# Altium PCB STC89C52_led流水灯_Project.PcbDoc (part 2 of 2)
Units mm, origin at the board's own origin, x right, y up, seen from the top; angles counter-clockwise.
Board outline 100 x 80 mm, 2 copper layers (Top Layer, Bottom Layer); 175 components, 183 nets, 540 pads, 112 vias.
Unrouted connection lines stored in the file: 28.
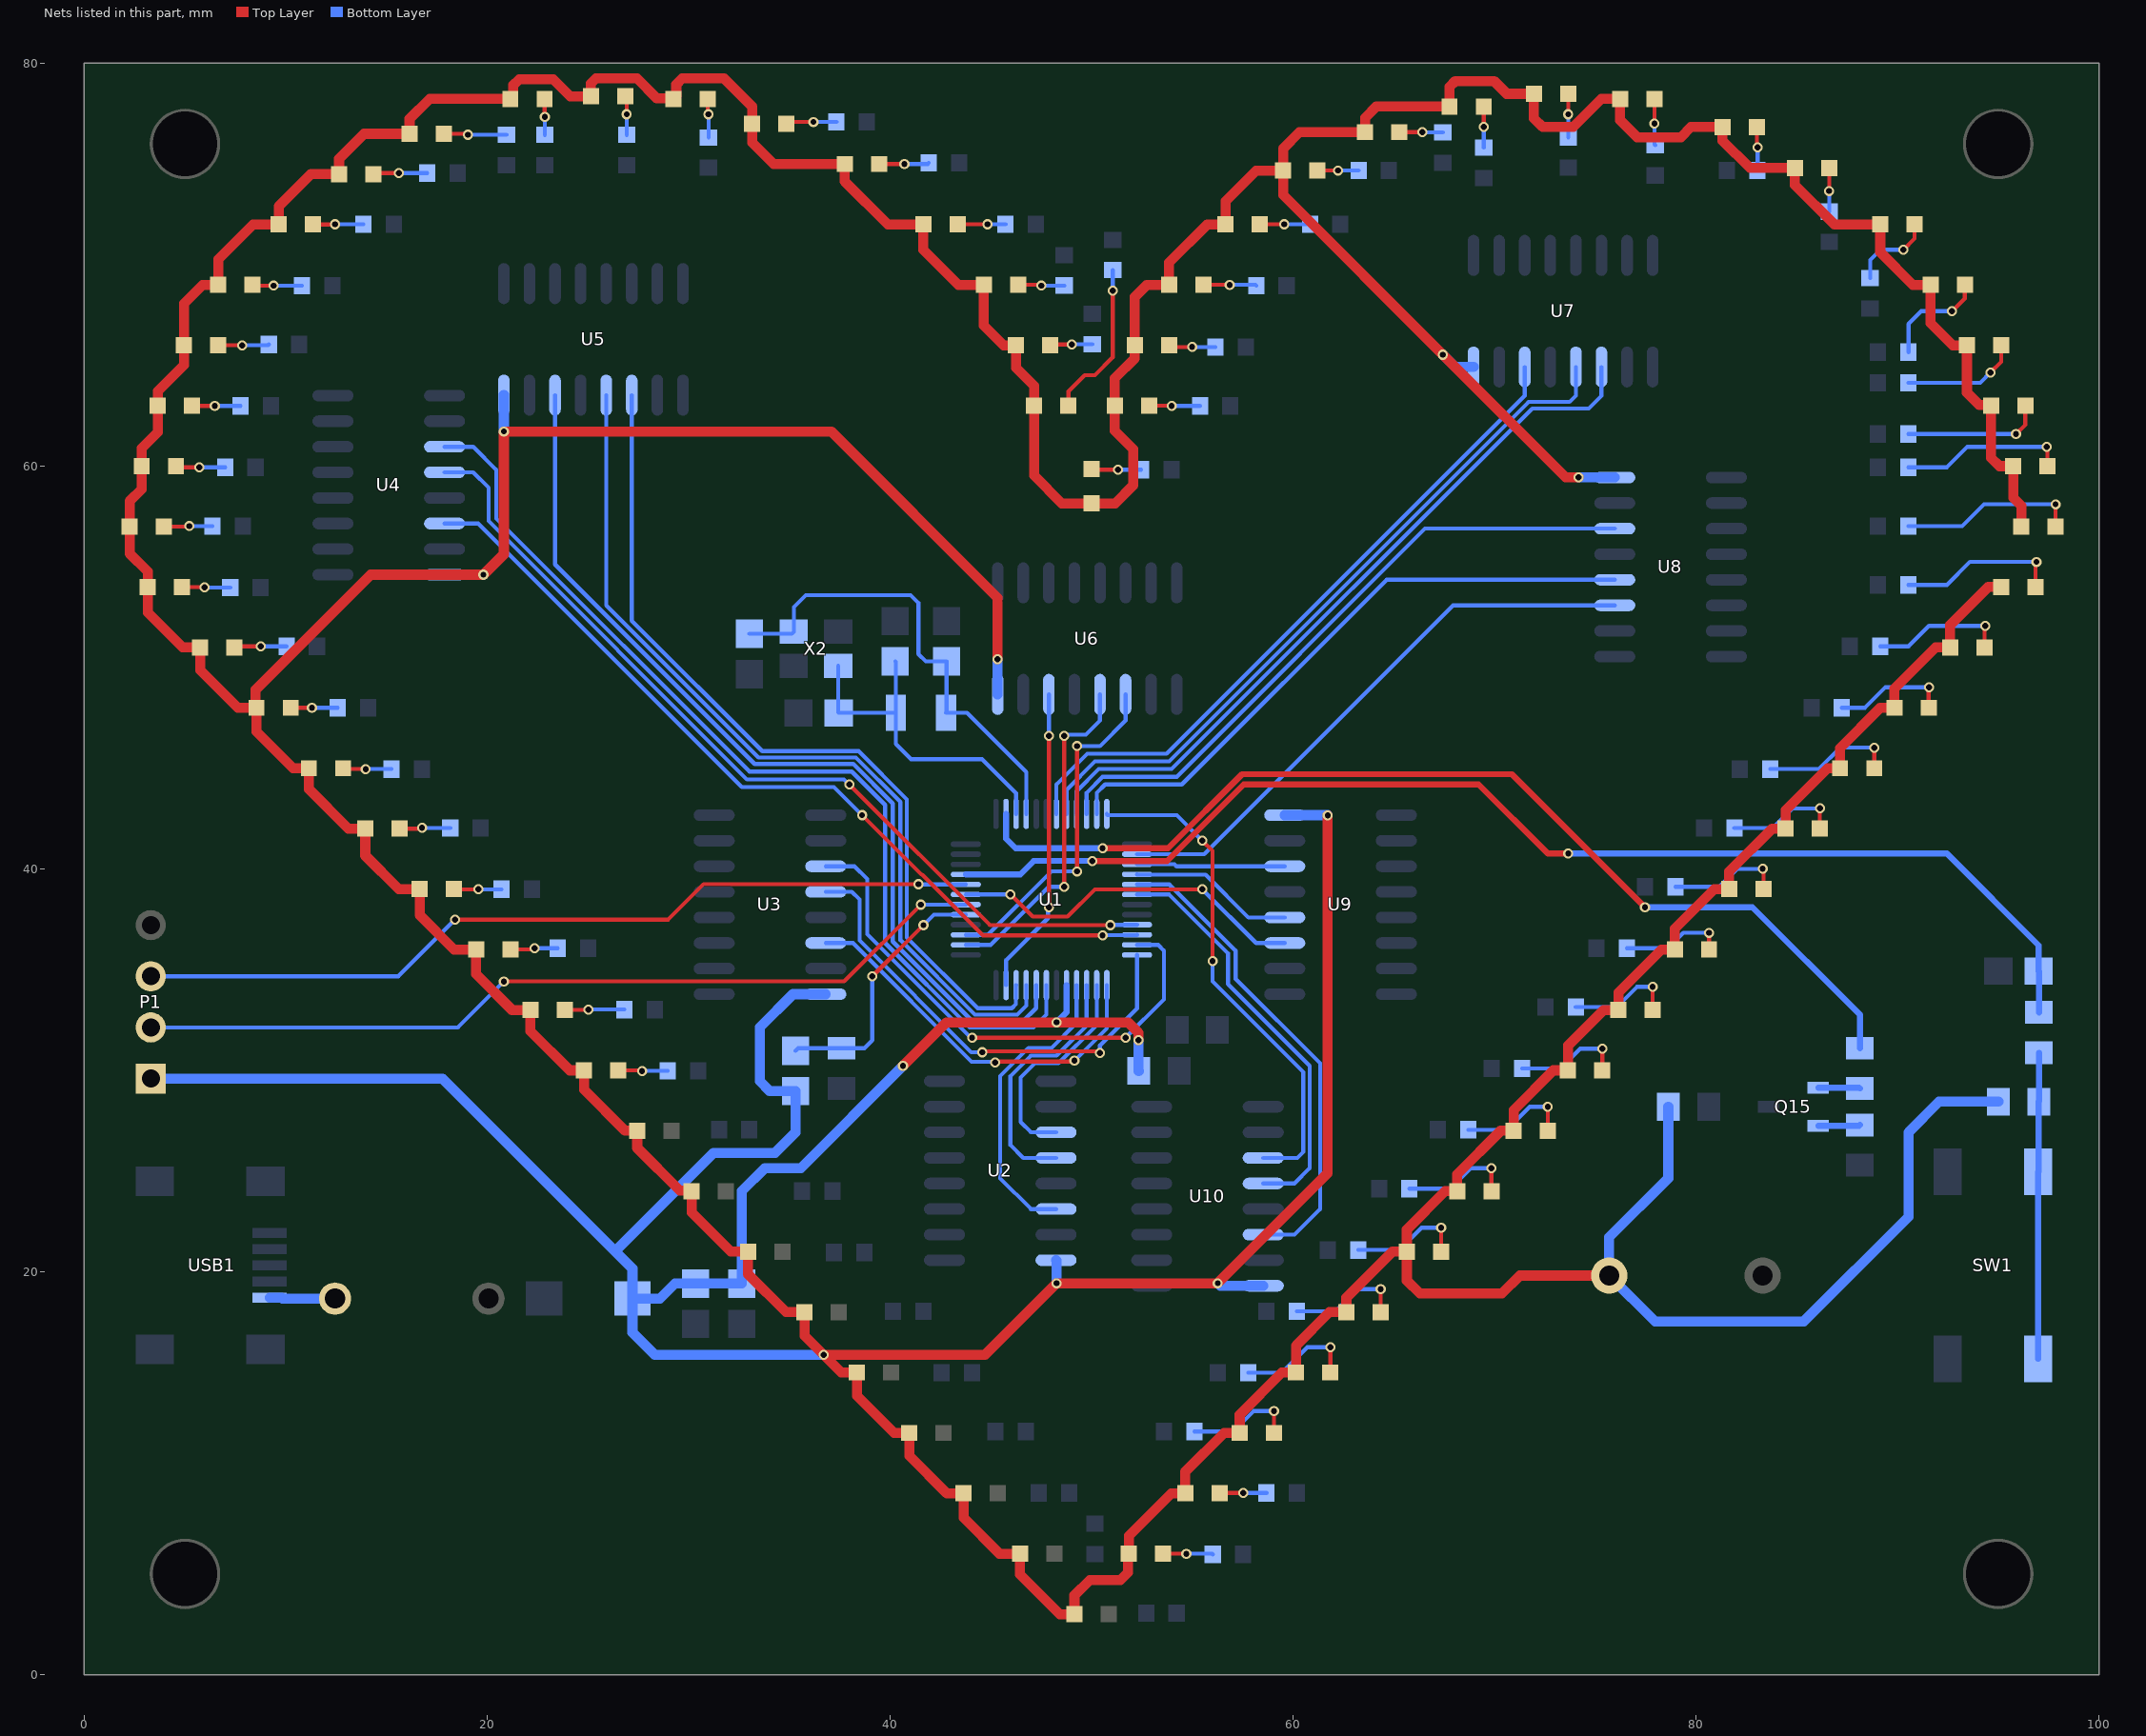
[diagram p2: the nets of this part, all layers, seen from the top]

## Via types
v1: diameter 0.5, hole 0.3, Top Layer to Bottom Layer, tented both sides, 112 vias

## Nets (pads, with @x,y where several pads share a name; then routed paths per layer and width w, separated by ;. In a path a pad name is that pad's centre, name@x,y a point inside that pad or via, vN(x,y) a via of type N, cw(c..) or ccw(c..) an arc to the next point about the centre after c; other vN are vias at no path point) (continued)
NetLED10_2: LED10.2 R10.2 | length 2.5
  Top Layer w0.2: LED10.2@26.505,30 27.658,30 v1(27.686,29.972)
  Bottom Layer w0.2: v1(27.686,29.972) R10.2@28.965,29.972
NetLED11_2: LED11.2 R11.2 | length 3
  Top Layer w0.2: LED11.2@23.851,33 24.999,33 v1(25.019,33.02)
  Bottom Layer w0.2: v1(25.019,33.02) R11.2@26.806,33.02
NetLED12_2: LED12.2 R12.2 | length 2.4
  Top Layer w0.2: LED12.2@21.151,36 22.293,36 v1(22.352,36.059)
  Bottom Layer w0.2: v1(22.352,36.059) 23.495,36.059 R12.2@23.504,36.068
NetLED13_2: LED13.2 R13.2 | length 2.4
  Top Layer w0.2: LED13.2@18.351,39 18.362,38.989 v1(19.558,38.989)
  Bottom Layer w0.2: v1(19.558,38.989) R13.2@20.71,38.989
NetLED14_2: LED14.2 R14.2 | length 2.5
  Top Layer w0.2: LED14.2@15.651,42 16.727,42 v1(16.764,42.037)
  Bottom Layer w0.2: v1(16.764,42.037) R14.2@18.17,42.037
NetLED15_2: LED15.2 R15.2 | length 2.4
  Top Layer w0.2: LED15.2@12.851,45 12.893,44.958 v1(13.97,44.958)
  Bottom Layer w0.2: v1(13.97,44.958) R15.2@15.249,44.958
NetLED16_2: LED16.2 R16.2 | length 2.3
  Top Layer w0.2: LED16.2@10.251,48 11.297,48 v1(11.303,48.006)
  Bottom Layer w0.2: v1(11.303,48.006) R16.2@12.582,48.006
NetLED17_2: LED17.2 R17.2 | length 2.6
  Top Layer w0.2: LED17.2@7.451,51 7.505,51.054 v1(8.763,51.054)
  Bottom Layer w0.2: v1(8.763,51.054) R17.2@10.042,51.054
NetLED18_2: LED18.2 R18.2 | length 2.4
  Top Layer w0.2: LED18.2@4.851,54 5.944,54 v1(5.969,53.975)
  Bottom Layer w0.2: v1(5.969,53.975) R18.2@7.248,53.975
NetLED19_2: LED19.2 R19.2 | length 2.4
  Top Layer w0.2: LED19.2@3.951,57 5.184,57 v1(5.207,57.023)
  Bottom Layer w0.2: v1(5.207,57.023) R19.2@6.359,57.023
NetLED20_2: LED20.2 R20.2 | length 2.5
  Top Layer w0.2: LED20.2@4.551,60 4.607,59.944 v1(5.715,59.944)
  Bottom Layer w0.2: v1(5.715,59.944) R20.2@6.994,59.944
NetLED21_2: LED21.2 R21.2 | length 2.4
  Top Layer w0.2: LED21.2@5.351,63 5.359,62.992 v1(6.477,62.992)
  Bottom Layer w0.2: v1(6.477,62.992) R21.2@7.756,62.992
NetLED22_2: LED22.2 R22.2 | length 2.5
  Top Layer w0.2: LED22.2@6.651,66 v1(7.834,66)
  Bottom Layer w0.2: v1(7.834,66) 9.121,66 R22.2@9.161,66.04
NetLED23_2: LED23.2 R23.2 | length 2.5
  Top Layer w0.2: LED23.2@8.351,69 8.39,68.961 v1(9.398,68.961)
  Bottom Layer w0.2: v1(9.398,68.961) R23.2@10.804,68.961
NetLED24_2: LED24.2 R24.2 | length 2.5
  Top Layer w0.2: LED24.2@11.351,72 12.437,72 v1(12.446,72.009)
  Bottom Layer w0.2: v1(12.446,72.009) R24.2@13.852,72.009
NetLED25_2: LED25.2 R25.2 | length 2.7
  Top Layer w0.2: LED25.2@14.351,74.5 14.4,74.549 v1(15.621,74.549)
  Bottom Layer w0.2: v1(15.621,74.549) R25.2@17.027,74.549
NetLED26_2: LED26.2 R26.2 | length 3.1
  Top Layer w0.2: LED26.2@17.851,76.5 19.004,76.5 v1(19.05,76.454)
  Bottom Layer w0.2: v1(19.05,76.454) R26.2@20.955,76.454
NetLED27_2: LED27.2 R27.2 | length 1.8
  Top Layer w0.2: LED27.2@22.851,78.232 22.851,77.352 v1(22.86,77.343)
  Bottom Layer w0.2: R27.2@22.86,76.445 v1(22.86,77.343)
NetLED28_2: LED28.2 R28.2 | length 1.9
  Top Layer w0.2: LED28.2@26.851,78.359 26.924,78.286 v1(26.924,77.47)
  Bottom Layer w0.2: R28.2@26.924,76.445 v1(26.924,77.47)
NetLED29_2: LED29.2 R29.2 | length 1.9
  Top Layer w0.2: LED29.2@30.95,78.232 30.95,77.508 v1(30.988,77.47)
  Bottom Layer w0.2: R29.2@30.988,76.318 v1(30.988,77.47)
NetLED30_2: LED30.2 R30.2 | length 2.5
  Top Layer w0.2: LED30.2@34.851,77 34.94,77.089 v1(36.195,77.089)
  Bottom Layer w0.2: v1(36.195,77.089) R30.2@37.338,77.089
NetLED31_2: LED31.2 R31.2 | length 2.5
  Top Layer w0.2: LED31.2@39.451,75 v1(40.71,75)
  Bottom Layer w0.2: v1(40.71,75) 41.862,75 R31.2@41.919,75.057
NetLED32_2: LED32.2 R32.2 | length 2.4
  Top Layer w0.2: LED32.2@43.351,72 43.36,72.009 v1(44.831,72.009)
  Bottom Layer w0.2: v1(44.831,72.009) R32.2@45.729,72.009
NetLED33_2: LED33.2 R33.2 | length 2.3
  Top Layer w0.2: LED33.2@46.351,69 47.459,69 v1(47.498,68.961)
  Bottom Layer w0.2: v1(47.498,68.961) R33.2@48.65,68.961
NetLED34_2: LED34.2 R34.2 | length 2.1
  Top Layer w0.2: LED34.2@47.951,66 47.991,66.04 v1(49.022,66.04)
  Bottom Layer w0.2: v1(49.022,66.04) 49.031,66.049 R34.2@50.038,66.049
NetLED35_2: LED35.2 R35.2 | length 7.9
  Top Layer w0.2: LED35.2@48.851,63 48.851,63.71 49.657,64.516 50.165,64.516 51.054,65.405 v1(51.054,68.707)
  Bottom Layer w0.2: v1(51.054,68.707) R35.2@51.054,69.732
NetLED36_2: LED36.2 R36.2 | length 2.5
  Top Layer w0.2: LED36.2@50,59.851 50.034,59.817 v1(51.308,59.817)
  Bottom Layer w0.2: v1(51.308,59.817) R36.2@52.46,59.817
NetLED37_2: LED37.2 R37.2 | length 2.5
  Top Layer w0.2: LED37.2@52.851,63 53.967,63 v1(53.975,62.992)
  Bottom Layer w0.2: v1(53.975,62.992) R37.2@55.381,62.992
NetLED38_2: LED38.2 R38.2 | length 2.3
  Top Layer w0.2: LED38.2@53.851,66 53.938,65.913 v1(54.991,65.913)
  Bottom Layer w0.2: v1(54.991,65.913) R38.2@56.143,65.913
NetLED39_2: LED39.2 R39.2 | length 2.6
  Top Layer w0.2: LED39.2@55.551,69 v1(56.857,69)
  Bottom Layer w0.2: v1(56.857,69) 58.136,69 R39.2@58.175,68.961
NetLED40_2: LED40.2 R40.2 | length 2.5
  Top Layer w0.2: LED40.2@58.351,72 58.36,72.009 v1(59.563,72.009)
  Bottom Layer w0.2: v1(59.563,72.009) R40.2@60.842,72.009
NetLED41_2: LED41.2 R41.2 | length 2
  Top Layer w0.2: LED41.2@61.214,74.676 v1(62.23,74.676)
  Bottom Layer w0.2: v1(62.23,74.676) R41.2@63.255,74.676
NetLED42_2: LED42.2 R42.2 | length 2.2
  Top Layer w0.2: LED42.2@65.278,76.581 v1(66.421,76.581)
  Bottom Layer w0.2: v1(66.421,76.581) 66.43,76.572 R42.2@67.437,76.572
NetLED43_2: LED43.2 R43.2 | length 2
  Top Layer w0.2: v1(69.469,76.835) LED43.2@69.469,77.851
  Bottom Layer w0.2: R43.2@69.469,75.81 v1(69.469,76.835)
NetLED44_2: LED44.2 R44.2 | length 2.2
  Top Layer w0.2: v1(73.66,77.47) LED44.2@73.66,78.486
  Bottom Layer w0.2: R44.2@73.66,76.318 v1(73.66,77.47)
NetLED45_2: LED45.2 R45.2 | length 2.3
  Top Layer w0.2: v1(77.94,77) LED45.2@77.94,78.232
  Bottom Layer w0.2: v1(77.94,77) 77.94,75.975 R45.2@77.978,75.937
NetLED46_2: LED46.2 R46.2 | length 2.2
  Top Layer w0.2: LED46.2@83.02,76.835 83.02,75.857 v1(83.058,75.819)
  Bottom Layer w0.2: R46.2@83.049,74.676 83.058,74.685 v1(83.058,75.819)
NetLED47_2: LED47.2 R47.2 | length 2.2
  Top Layer w0.2: v1(86.614,73.66) LED47.2@86.614,74.803
  Bottom Layer w0.2: R47.2@86.614,72.635 v1(86.614,73.66)
NetLED48_2: LED48.2 R48.2 | length 4.2
  Top Layer w0.2: v1(90.297,70.739) 90.851,71.293 LED48.2@90.851,72
  Bottom Layer w0.2: R48.2@88.646,69.333 88.646,70.231 89.154,70.739 v1(90.297,70.739)
NetLED49_2: LED49.2 R49.2 | length 5.4
  Top Layer w0.2: v1(92.71,67.691) 93.345,68.326 93.345,68.994 LED49.2@93.351,69
  Bottom Layer w0.2: R49.2@90.551,65.659 90.551,67.056 91.186,67.691 v1(92.71,67.691)
NetLED50_2: LED50.2 R50.2 | length 5.9
  Top Layer w0.2: v1(94.615,64.643) 95.151,65.179 LED50.2@95.151,66
  Bottom Layer w0.2: R50.2@90.542,64.135 94.107,64.135 v1(94.615,64.643)
NetLED51_2: LED51.2 R51.2 | length 6.9
  Top Layer w0.2: v1(95.885,61.595) 96.351,62.061 LED51.2@96.351,63
  Bottom Layer w0.2: R51.2@90.542,61.595 v1(95.885,61.595)
NetLED52_2: LED52.2 R52.2 | length 8.3
  Top Layer w0.2: v1(97.409,60.96) 97.409,60.833 97.451,60.791 LED52.2@97.451,60
  Bottom Layer w0.2: R52.2@90.542,59.944 92.456,59.944 93.472,60.96 v1(97.409,60.96)
NetLED53_2: LED53.2 R53.2 | length 8.9
  Top Layer w0.2: LED53.2@97.851,57 v1(97.851,58.105)
  Bottom Layer w0.2: R53.2@90.542,57.023 93.218,57.023 94.3,58.105 v1(97.851,58.105)
NetLED54_2: LED54.2 R54.2 | length 8.1
  Top Layer w0.2: LED54.2@96.851,54 96.851,55.195 v1(96.901,55.245)
  Bottom Layer w0.2: R54.2@90.542,54.102 92.456,54.102 93.599,55.245 v1(96.901,55.245)
NetLED55_2: LED55.2 R55.2 | length 6.7
  Top Layer w0.2: LED55.2@94.323,51 94.323,52.032 v1(94.361,52.07)
  Bottom Layer w0.2: R55.2@89.145,51.054 90.551,51.054 91.567,52.07 v1(94.361,52.07)
NetLED56_2: LED56.2 R56.2 | length 5.8
  Top Layer w0.2: LED56.2@91.551,48 91.551,49.006 v1(91.567,49.022)
  Bottom Layer w0.2: R56.2@87.24,48.006 88.392,48.006 89.408,49.022 v1(91.567,49.022)
NetLED57_2: LED57.2 R57.2 | length 6.6
  Top Layer w0.2: LED57.2@88.851,45 v1(88.851,46.023)
  Bottom Layer w0.2: R57.2@83.684,44.958 86.106,44.958 87.171,46.023 v1(88.851,46.023)
NetLED58_2: LED58.2 R58.2 | length 5.7
  Top Layer w0.2: LED58.2@86.151,42 v1(86.151,43.008)
  Bottom Layer w0.2: R58.2@81.906,42.037 83.82,42.037 84.791,43.008 v1(86.151,43.008)
NetLED59_2: LED59.2 R59.2 | length 5.7
  Top Layer w0.2: v1(83.312,40.005) 83.351,39.966 LED59.2@83.351,39
  Bottom Layer w0.2: R59.2@78.985,39.116 81.153,39.116 82.042,40.005 v1(83.312,40.005)
NetLED60_2: LED60.2 R60.2 | length 5.2
  Top Layer w0.2: v1(80.645,36.83) 80.651,36.824 LED60.2@80.651,36
  Bottom Layer w0.2: R60.2@76.572,36.068 78.613,36.068 79.375,36.83 v1(80.645,36.83)
NetLED61_2: LED61.2 R61.2 | length 5.4
  Top Layer w0.2: LED61.2@77.851,33 v1(77.851,34.145)
  Bottom Layer w0.2: R61.2@74.032,33.147 76.073,33.147 77.071,34.145 v1(77.851,34.145)
NetLED62_2: LED62.2 R62.2 | length 5.5
  Top Layer w0.2: LED62.2@75.351,30 v1(75.351,31.075)
  Bottom Layer w0.2: R62.2@71.365,30.099 73.279,30.099 74.255,31.075 v1(75.351,31.075)
NetLED63_2: LED63.2 R63.2 | length 5.6
  Top Layer w0.2: v1(72.644,28.194) 72.651,28.187 LED63.2@72.651,27
  Bottom Layer w0.2: R63.2@68.698,27.051 70.612,27.051 71.755,28.194 v1(72.644,28.194)
NetLED64_2: LED64.2 R64.2 | length 5.6
  Top Layer w0.2: v1(69.85,25.146) v1(69.85,25.146) LED64.2@69.851,24
  Bottom Layer w0.2: R64.2@65.777,24.13 67.818,24.13 68.834,25.146 v1(69.85,25.146)
NetLED65_2: LED65.2 R65.2 | length 5.8
  Top Layer w0.2: LED65.2@67.351,21 v1(67.351,22.184)
  Bottom Layer w0.2: R65.2@63.237,21.082 65.278,21.082 66.38,22.184 v1(67.351,22.184)
NetLED66_2: LED66.2 R66.2 | length 5.8
  Top Layer w0.2: LED66.2@64.351,18 v1(64.351,19.139)
  Bottom Layer w0.2: R66.2@60.189,18.034 62.103,18.034 63.208,19.139 v1(64.351,19.139)
NetLED67_2: LED67.2 R67.2 | length 5.9
  Top Layer w0.2: v1(61.849,16.256) 61.851,16.254 LED67.2@61.851,15
  Bottom Layer w0.2: R67.2@57.776,14.986 59.436,14.986 60.706,16.256 v1(61.849,16.256)
NetLED68_2: LED68.2 R68.2 | length 5.4
  Top Layer w0.2: LED68.2@59.055,12 v1(59.055,13.081)
  Bottom Layer w0.2: R68.2@55.109,12.065 57.023,12.065 58.039,13.081 v1(59.055,13.081)
NetLED69_2: LED69.2 R69.2 | length 2.3
  Top Layer w0.2: LED69.2@56.351,9 56.368,9.017 v1(57.531,9.017)
  Bottom Layer w0.2: v1(57.531,9.017) R69.2@58.683,9.017
NetLED70_2: LED70.2 R70.2 | length 2.5
  Top Layer w0.2: LED70.2@53.551,6 v1(54.706,6)
  Bottom Layer w0.2: v1(54.706,6) 55.985,6 R70.2@56.016,5.969
NetQ15_1: Q15.1 R75.1 | length 2.1
  Bottom Layer w0.3: Q15.1@86.071,29.144 88.093,29.144 R75.1@88.138,29.099
NetQ15_2: Q15.2 R72.2 | length 2.1
  Bottom Layer w0.3: Q15.2@86.071,27.244 88.093,27.244 R72.2@88.138,27.289
NetR73_1: R73.1 R74.1 SW1.1 SW1.2 | length 15.2
  Bottom Layer w0.3: SW1.1@96.992,15.677 SW1.2@96.992,24.963 97.012,24.983 R73.1@97.012,28.448 97.028,28.464 R74.1@97.028,30.877
P0.0: U1.40 U2.14 | length 15.2
  Bottom Layer w0.2: U2.14@48.235,23.114 46.99,23.114 45.466,24.638 45.466,29.718 46.863,31.115 48.006,31.115 49.256,32.365 U1.40@49.256,34.231
P0.1: U1.39 U2.12 | length 12.8
  Bottom Layer w0.2: U2.12@48.235,25.654 46.609,25.654 45.974,26.289 45.974,29.718 46.99,30.734 48.26,30.734 49.756,32.23 U1.39@49.756,34.231
P0.2: U1.38 U2.11 | length 11
  Bottom Layer w0.2: U2.11@48.235,26.924 46.99,26.924 46.482,27.432 46.482,29.651 47.184,30.353 48.357,30.353 50.256,32.252 U1.38@50.256,34.231
P0.3: U1.37 U3.14 | length 19.3
  Top Layer w0.2: v1(45.212,30.391) 45.257,30.436 49.105,30.436 v1(49.149,30.48)
  Bottom Layer w0.2: U3.14@36.805,36.322 38.155,36.322 44.048,30.429 45.174,30.429 v1(45.212,30.391) ; v1(49.149,30.48) 50.756,32.087 U1.37@50.756,34.231
P0.4: U1.36 U3.12 | length 23.8
  Top Layer w0.2: v1(44.577,30.899) 44.628,30.95 50.249,30.95 50.338,30.861 v1(50.419,30.861)
  Bottom Layer w0.2: U3.12@36.805,38.862 38.1,38.862 38.481,38.481 38.481,36.449 44.027,30.903 44.573,30.903 v1(44.577,30.899) ; v1(50.419,30.861) 50.419,31.242 52.256,33.079 U1.36@52.256,35.731
P0.5: U1.35 U3.11 | length 26.6
  Top Layer w0.2: v1(44.069,31.623) v1(51.689,31.623)
  Bottom Layer w0.2: U3.11@36.805,40.132 38.227,40.132 38.862,39.497 38.862,36.758 43.997,31.623 v1(44.069,31.623) ; v1(51.689,31.623) 53.594,33.528 53.594,35.941 53.304,36.231 U1.35@52.256,36.231
P0.6: U1.34 U4.14 | length 42.9
  Top Layer w0.2: v1(38.608,42.672) 41.567,39.713 41.597,39.713 44.607,36.703 v1(50.546,36.703)
  Bottom Layer w0.2: U4.14@17.882,57.15 19.558,57.15 32.639,44.069 37.211,44.069 v1(38.608,42.672) ; v1(50.546,36.703) 50.561,36.718 52.243,36.718 U1.34@52.256,36.731
P0.7: U1.33 U4.12 | length 44.7
  Top Layer w0.2: v1(37.973,44.196) 44.958,37.211 v1(50.927,37.211)
  Bottom Layer w0.2: U4.12@17.882,59.69 19.304,59.69 20.066,58.928 20.066,57.277 32.893,44.45 37.706,44.45 37.96,44.196 v1(37.973,44.196) ; v1(50.927,37.211) 50.937,37.221 52.246,37.221 U1.33@52.256,37.231
P1.0: U1.43 U4.11 | length 49
  Bottom Layer w0.2: U4.11@17.882,60.96 19.304,60.96 20.447,59.817 20.447,57.404 33.02,44.831 38.1,44.831 39.751,43.18 39.751,36.322 43.947,32.126 47.122,32.126 47.756,32.76 U1.43@47.756,34.231
P1.1: U1.44 U5.14 | length 47.1
  Bottom Layer w0.2: U5.14@23.368,63.525 23.368,55.118 33.274,45.212 38.172,45.212 40.132,43.252 40.132,36.394 44.08,32.446 46.604,32.446 47.244,33.086 47.244,34.219 U1.44@47.256,34.231
P1.2: U1.45 U5.12 | length 44.9
  Bottom Layer w0.2: U5.12@25.908,63.525 25.908,53.086 33.462,45.532 38.304,45.532 40.513,43.323 40.513,36.465 44.212,32.766 46.306,32.766 46.756,33.216 U1.45@46.756,34.231
P1.3: U1.46 U5.11 | length 43.3
  Bottom Layer w0.2: U5.11@27.178,63.525 27.178,52.324 33.65,45.852 38.437,45.852 40.833,43.456 40.833,36.598 44.345,33.086 46.04,33.086 46.243,33.289 46.243,34.218 U1.46@46.256,34.231
P1.4: U1.47 U6.14 | length 15.3
  Top Layer w0.2: v1(47.879,38.1) v1(47.879,46.609)
  Bottom Layer w0.2: U1.47@45.756,34.231 45.756,35.469 47.837,37.55 47.837,38.058 v1(47.879,38.1) ; v1(47.879,46.609) U6.14@47.879,48.666
P1.5: U1.2 U6.12 | length 17
  Top Layer w0.2: v1(48.641,39.116) v1(48.641,46.609)
  Bottom Layer w0.2: U1.2@43.756,36.231 44.994,36.231 47.879,39.116 v1(48.641,39.116) ; v1(48.641,46.609) 48.698,46.666 49.714,46.666 50.419,47.371 U6.12@50.419,48.666
P1.6: U1.3 U6.11 | length 17.3
  Top Layer w0.2: v1(49.276,39.878) v1(49.276,46.101)
  Bottom Layer w0.2: U1.3@43.756,36.731 44.859,36.731 48.006,39.878 v1(49.276,39.878) ; v1(49.276,46.101) 50.419,46.101 51.689,47.371 U6.11@51.689,48.666
P2.0: U1.19 U7.14 | length 34.1
  Bottom Layer w0.2: U1.19@48.256,42.731 48.256,44.192 49.784,45.72 53.721,45.72 71.501,63.5 U7.14@71.501,64.922
P2.1: U1.20 U7.12 | length 36
  Bottom Layer w0.2: U1.20@48.756,42.731 48.756,43.93 50.165,45.339 53.848,45.339 71.694,63.185 73.726,63.185 74.041,63.5 U7.12@74.041,64.922
P2.2: U1.21 U7.11 | length 36.7
  Bottom Layer w0.2: U1.21@49.256,42.731 49.256,43.856 50.358,44.958 53.975,44.958 71.882,62.865 74.676,62.865 75.311,63.5 U7.11@75.311,64.922
P2.3: U1.22 U8.14 | length 32.7
  Bottom Layer w0.2: U1.22@49.756,42.731 49.756,43.787 50.546,44.577 54.229,44.577 66.548,56.896 U8.14@75.971,56.896
P2.4: U1.23 U8.12 | length 31.1
  Bottom Layer w0.2: U1.23@50.256,42.731 50.256,43.779 50.673,44.196 54.483,44.196 64.643,54.356 U8.12@75.971,54.356
P2.5: U1.26 U8.11 | length 28.8
  Bottom Layer w0.2: U1.26@52.256,40.731 55.59,40.731 67.945,53.086 U8.11@75.971,53.086
P2.6: U1.27 U9.14 | length 7.4
  Bottom Layer w0.2: U1.27@52.256,40.231 54.119,40.231 54.218,40.132 U9.14@59.588,40.132
P2.7: U1.28 U9.12 | length 8.2
  Bottom Layer w0.2: U1.28@52.256,39.731 52.269,39.718 55.659,39.718 57.785,37.592 U9.12@59.588,37.592
P3.0: P1.2 U1.6 | length 43
  Top Layer w0.2: v1(20.828,34.417) 37.719,34.417 v1(41.529,38.227)
  Bottom Layer w0.2: P1.2@3.302,32.131 18.542,32.131 v1(20.828,34.417) ; v1(41.529,38.227) 41.533,38.231 U1.6@43.756,38.231
P3.1: P1.3 U1.8 | length 42.4
  Top Layer w0.2: v1(18.403,37.487) 28.984,37.487 30.74,39.243 v1(41.402,39.243)
  Bottom Layer w0.2: P1.3@3.302,34.671 15.587,34.671 v1(18.403,37.487) ; v1(41.402,39.243) 41.414,39.231 U1.8@43.756,39.231
P3.2: C5.2 R74.2 U1.9 | length 61.8
  Top Layer w0.3: v1(50.038,40.386) 53.748,40.386 57.558,44.196 69.215,44.196 72.644,40.767 v1(73.66,40.767)
  Bottom Layer w0.3: U1.9@43.756,39.731 46.462,39.731 47.129,40.398 50.026,40.398 v1(50.038,40.386) ; v1(73.66,40.767) 92.456,40.767 97.012,36.211 C5.2@97.012,34.925 97.028,34.909 R74.2@97.028,32.877
P3.7: R75.2 U1.14 | length 52
  Top Layer w0.3: v1(50.546,41.021) 53.789,41.021 57.472,44.704 70.866,44.704 v1(77.47,38.1)
  Bottom Layer w0.3: U1.14@45.756,42.731 45.756,41.493 46.228,41.021 v1(50.546,41.021) ; v1(77.47,38.1) 82.804,38.1 88.138,32.766 R75.2@88.138,31.099
P4.3: U1.7 U9.11 | length 18
  Top Layer w0.2: v1(45.974,38.735) 47.079,37.63 48.806,37.63 50.165,38.989 v1(55.499,38.989)
  Bottom Layer w0.2: U1.7@43.756,38.731 43.758,38.733 45.972,38.733 v1(45.974,38.735) ; v1(55.499,38.989) 58.166,36.322 U9.11@59.588,36.322
P4.4: U1.29 U10.14 | length 24.2
  Bottom Layer w0.2: U1.29@52.256,39.231 53.86,39.231 57.15,35.941 57.15,34.544 61.341,30.353 61.341,23.114 60.071,21.844 U10.14@58.522,21.844
P4.5: U1.30 U10.12 | length 20.7
  Bottom Layer w0.2: U1.30@52.256,38.731 53.852,38.731 56.769,35.814 56.769,34.29 60.833,30.226 60.833,25.146 60.071,24.384 U10.12@58.522,24.384
P5.0: U1.24 U10.11 | length 24.9
  Top Layer w0.2: v1(55.499,41.402) 56.007,40.894 56.007,35.924 v1(56.007,35.433)
  Bottom Layer w0.2: U1.24@50.756,42.731 50.788,42.699 50.788,42.672 54.229,42.672 v1(55.499,41.402) ; v1(56.007,35.433) 56.007,34.417 60.513,29.911 60.513,25.959 60.208,25.654 U10.11@58.522,25.654
RST: C6.1 R71.2 U1.5 | length 13.1
  Top Layer w0.2: v1(39.116,34.671) v1(41.656,37.211)
  Bottom Layer w0.2: C6.1@35.306,30.972 35.433,31.099 R71.2@37.592,31.099 38.719,31.099 39.116,31.496 v1(39.116,34.671) ; v1(41.656,37.211) 42.176,37.731 U1.5@43.756,37.731
VBUS: SW2.1 USB1.1 | length 3.3
  Bottom Layer w0.5: USB1.1@9.2,18.72 9.8,18.72 9.851,18.669 SW2.1@12.446,18.669
VCC_5V: BUZZER2.1 C3.2 C4.2 C6.2 D1.1 LED1.1 LED2.1 LED3.1 LED4.1 LED5.1 LED6.1 LED7.1 LED8.1 LED9.1 LED10.1 LED11.1 LED12.1 LED13.1 LED14.1 LED15.1 LED16.1 LED17.1 LED18.1 LED19.1 LED20.1 LED21.1 LED22.1 LED23.1 LED24.1 LED25.1 LED26.1 LED27.1 LED28.1 LED29.1 LED30.1 LED31.1 LED32.1 LED33.1 LED34.1 LED35.1 LED36.1 LED37.1 LED38.1 LED39.1 LED40.1 LED41.1 LED42.1 LED43.1 LED44.1 LED45.1 LED46.1 LED47.1 LED48.1 LED49.1 LED50.1 LED51.1 LED52.1 LED53.1 LED54.1 LED55.1 LED56.1 LED57.1 LED58.1 LED59.1 LED60.1 LED61.1 LED62.1 LED63.1 LED64.1 LED65.1 LED66.1 LED67.1 LED68.1 LED69.1 LED70.1 P1.1 R73.2 R76.2 R78.2 U1.41 U2.16 U3.16 U4.16 U5.16 U6.16 U7.16 U8.16 U9.16 U10.16 | length 610.1
  Top Layer w0.5: v1(40.64,30.226) 42.799,32.385 v1(48.26,32.385) 51.804,32.385 52.324,31.865 v1(52.324,31.496) ; v1(45.339,50.419) 45.339,53.467 37.084,61.722 v1(20.828,61.722) 20.828,55.626 v1(19.812,54.61) 14.224,54.61 8.509,48.895 8.509,48.04 LED16.1@8.549,48 ; v1(61.722,42.66) 61.722,24.892 v1(56.261,19.431) v1(48.26,19.431) 44.704,15.875 v1(36.703,15.875) ; v1(74.168,59.436) 73.533,59.436 v1(67.437,65.532) 59.512,73.457 LED41.1@59.512,74.676 ; BUZZER2.1@75.692,19.812 71.262,19.812 70.373,18.923 66.294,18.923 65.649,19.568 LED65.1@65.649,21 ; LED54.1@95.149,54 94.513,54 92.621,52.108 LED55.1@92.621,51 91.894,51 89.849,48.955 LED56.1@89.849,48 89.148,48 87.149,46.001 LED57.1@87.149,45 86.529,45 84.449,42.92 LED58.1@84.449,42 83.783,42 81.649,39.866 LED59.1@81.649,39 80.91,39 78.949,37.039 LED60.1@78.949,36 78.291,36 76.149,33.858 LED61.1@76.149,33 75.418,33 73.649,31.231 LED62.1@73.649,30 72.926,30 70.949,28.023 LED63.1@70.949,27 70.307,27 68.149,24.842 LED64.1@68.149,24 67.561,24 65.649,22.088 LED65.1@65.649,21 ; LED53.1@96.149,57 96.149,58.029 95.749,58.429 LED52.1@95.749,60 95.067,60 94.649,60.418 LED51.1@94.649,63 94.616,63.033 94.066,63.033 93.449,63.65 LED50.1@93.449,66 92.75,66 91.649,67.101 LED49.1@91.649,69 90.766,69 89.149,70.617 LED48.1@89.149,72 86.877,72 84.912,73.965 LED47.1@84.912,74.803 82.677,74.803 81.318,76.162 LED46.1@81.318,76.835 79.756,76.835 79.248,76.327 77.089,76.327 76.238,77.178 LED45.1@76.238,78.232 75.311,78.232 73.914,76.835 72.39,76.835 71.958,77.267 LED44.1@71.958,78.486 70.612,78.486 69.977,79.121 68.06,79.121 67.767,78.828 LED43.1@67.767,77.851 64.135,77.851 63.576,77.292 LED42.1@63.576,76.581 60.325,76.581 59.512,75.768 LED41.1@59.512,74.676 ; LED16.1@8.549,48 7.626,48 5.749,49.877 LED17.1@5.749,51 4.88,51 3.149,52.731 LED18.1@3.149,54 3.149,54.763 2.249,55.663 LED19.1@2.249,57 2.249,58.256 2.849,58.856 LED20.1@2.849,60 2.849,60.888 3.649,61.688 LED21.1@3.649,63 3.649,63.72 4.949,65.02 LED22.1@4.949,66 4.949,68.068 5.881,69 LED23.1@6.649,69 6.649,70.276 8.373,72 LED24.1@9.649,72 9.649,72.895 11.254,74.5 LED25.1@12.649,74.5 12.649,75.26 13.889,76.5 LED26.1@16.149,76.5 16.149,77.236 17.145,78.232 LED27.1@21.149,78.232 21.299,78.382 21.299,78.916 21.592,79.209 23.28,79.209 24.13,78.359 LED28.1@25.149,78.359 25.149,78.991 25.406,79.248 27.432,79.248 28.418,78.262 29.218,78.262 LED29.1@29.248,78.232 29.386,78.37 29.386,78.955 29.679,79.248 31.75,79.248 33.149,77.849 LED30.1@33.149,77 33.149,76.071 34.22,75 LED31.1@37.749,75 37.749,74.138 39.887,72 LED32.1@41.649,72 41.649,70.746 43.395,69 LED33.1@44.649,69 44.649,66.984 45.633,66 LED34.1@46.249,66 46.249,64.876 47.149,63.976 LED35.1@47.149,63 47.149,59.531 48.531,58.149 LED36.1@50,58.149 51.164,58.149 52.07,59.055 52.07,60.833 51.149,61.754 LED37.1@51.149,63 51.149,64.357 52.149,65.357 LED38.1@52.149,66 52.149,68.405 52.744,69 LED39.1@53.849,69 53.849,70.105 55.744,72 LED40.1@56.649,72 56.649,73.159 58.166,74.676 LED41.1@59.512,74.676 ; LED16.1@8.549,48 8.549,46.823 10.372,45 LED15.1@11.149,45 11.149,43.969 13.118,42 LED14.1@13.949,42 13.949,40.661 15.61,39 LED13.1@16.649,39 16.649,37.707 18.356,36 LED12.1@19.449,36 19.449,34.78 21.229,33 LED11.1@22.149,33 22.149,31.953 24.102,30 LED10.1@24.803,30 24.803,29.045 26.848,27 LED9.1@27.449,27 27.449,26.145 29.566,24.028 30.121,24.028 LED8.1@30.149,24 30.149,22.937 32.086,21 LED7.1@32.949,21 32.949,19.883 34.832,18 LED6.1@35.749,18 35.749,16.829 v1(36.703,15.875) ; v1(36.703,15.875) 37.578,15 LED5.1@38.349,15 38.349,13.848 40.197,12 LED4.1@40.949,12 40.949,10.867 42.816,9 LED3.1@43.649,9 43.649,7.786 45.435,6 LED2.1@46.449,6 46.449,4.986 48.435,3 LED1.1@49.149,3 49.149,3.937 49.911,4.699 51.435,4.699 51.816,5.08 51.816,5.967 LED70.1@51.849,6 51.849,6.891 53.958,9 LED69.1@54.649,9 54.649,10.072 56.577,12 LED68.1@57.353,12 57.353,12.903 59.45,15 LED67.1@60.149,15 60.149,16.334 61.815,18 LED66.1@62.649,18 62.649,18.707 64.942,21 LED65.1@65.649,21
  Bottom Layer w0.3: v1(48.26,32.385) 48.756,32.881 U1.41@48.756,34.231
  Bottom Layer w0.5: P1.1@3.302,29.591 17.78,29.591 26.352,21.018 ; U4.16@17.882,54.61 v1(19.812,54.61) ; v1(20.828,61.722) U5.16@20.828,63.525 ; v1(36.703,15.875) 28.321,15.875 27.211,16.985 D1.1@27.211,18.669 ; U3.16@36.805,33.782 35.179,33.782 33.528,32.131 33.528,29.464 34.02,28.972 C6.2@35.306,28.972 35.306,26.924 34.29,25.908 31.242,25.908 26.352,21.018 ; v1(40.64,30.226) 35.56,25.146 33.782,25.146 32.639,24.003 C4.2@32.639,19.415 C3.2@30.353,19.415 29.321,19.415 28.575,18.669 D1.1@27.211,18.669 ; U6.16@45.339,48.666 v1(45.339,50.419) ; U2.16@48.235,20.574 48.26,20.549 v1(48.26,19.431) ; v1(52.324,31.496) 52.324,29.988 R78.2@52.34,29.972 ; v1(56.261,19.431) 56.388,19.304 U10.16@58.522,19.304 ; U9.16@59.588,42.672 61.71,42.672 v1(61.722,42.66) ; v1(67.437,65.532) 68.047,64.922 U7.16@68.961,64.922 ; v1(74.168,59.436) U8.16@75.971,59.436 ; R76.2@78.629,28.194 78.629,24.654 75.692,21.717 BUZZER2.1@75.692,19.812 77.978,17.526 85.344,17.526 90.551,22.733 90.551,26.924 92.075,28.448 R73.2@95.012,28.448 ; 26.352,21.018 27.211,20.16 D1.1@27.211,18.669
XTAL1: C1.1 C7.1 U1.16 X1.2 X2.3 | length 24
  Bottom Layer w0.2: C7.1@33.02,51.673 35.118,51.673 X2.3@35.222,51.777 35.222,53.002 35.814,53.594 41.021,53.594 41.402,53.213 41.402,50.673 41.767,50.308 C1.1@42.799,50.308 42.799,47.772 X1.2@42.779,47.752 43.815,47.752 46.756,44.811 U1.16@46.756,42.731
XTAL2: C2.1 C8.1 U1.15 X1.1 X2.1 | length 17.3
  Bottom Layer w0.2: X2.1@37.422,50.077 37.422,47.779 C8.1@37.449,47.752 ; C8.1@37.449,47.752 X1.1@40.279,47.752 ; C2.1@40.259,50.308 40.279,50.288 X1.1@40.279,47.752 ; U1.15@46.256,42.731 46.256,43.759 44.563,45.452 41.035,45.452 40.279,46.208 X1.1@40.279,47.752
pads on no net: U1.1 U1.4 U1.10 U1.11 U1.12 U1.13 U1.18 U1.25 U1.31 U1.42 U1.48 U2.9 U2.10 U2.13 U3.9 U3.10 U3.13 U4.9 U4.10 U4.13 U5.9 U5.10 U5.13 U6.9 U6.10 U6.13 U7.9 U7.10 U7.13 U8.9 U8.10 U8.13 U9.9 U9.10 U9.13 U10.6 U10.7 U10.9 U10.10 U10.13 USB1.2 USB1.3 USB1.4

## Polygon pours and split planes (outlines as drawn)
GND on Top Layer "GND_L01_P001" (solid, remove dead copper, pour order 1): -0.127,0 -0.127,79.883 0,80.01 99.949,80.01 99.949,0
GND on Bottom Layer "GND_L02_P002" (solid, remove dead copper, pour order 2): 99.949,80.01 99.949,0 0,0 0,80.01 0.127,80.137

## Keep-outs
Keep-Out Layer:
  the board outline again, w0.1

## Other copper
Top Layer:
  region net VCC_5V: 36.703,15.875 38.354,15.875 37.964,15.485 37.964,15

## Silkscreen, mask and mechanical layers (free items; w line width, h text height)
Bottom Overlay:
  text "GND" at 7.139,36.93 h0.8
  text "P3.1" at 7.393,34.39 h0.8
  text "P3.0" at 7.774,31.723 h0.8
  text "VCC_5V" at 9.298,29.189 h0.8
  text "STC12C5-LED-Heart-shaped lamp" at 91.313,3.949 h1.5
  text "V0.1-2023-07-25" at 91.185,2.43 h1.5

## Text inside footprints (layer, text, board x,y; h text height)
BUZZER2: Bottom Overlay "+" at 73.406,19.647 h0.83 r180
SW2: Mechanical 6 "1" at 18.824,18.847 h0.33 r90